# KiCad board ZSWatch-panelized.kicad_pcb (continued)
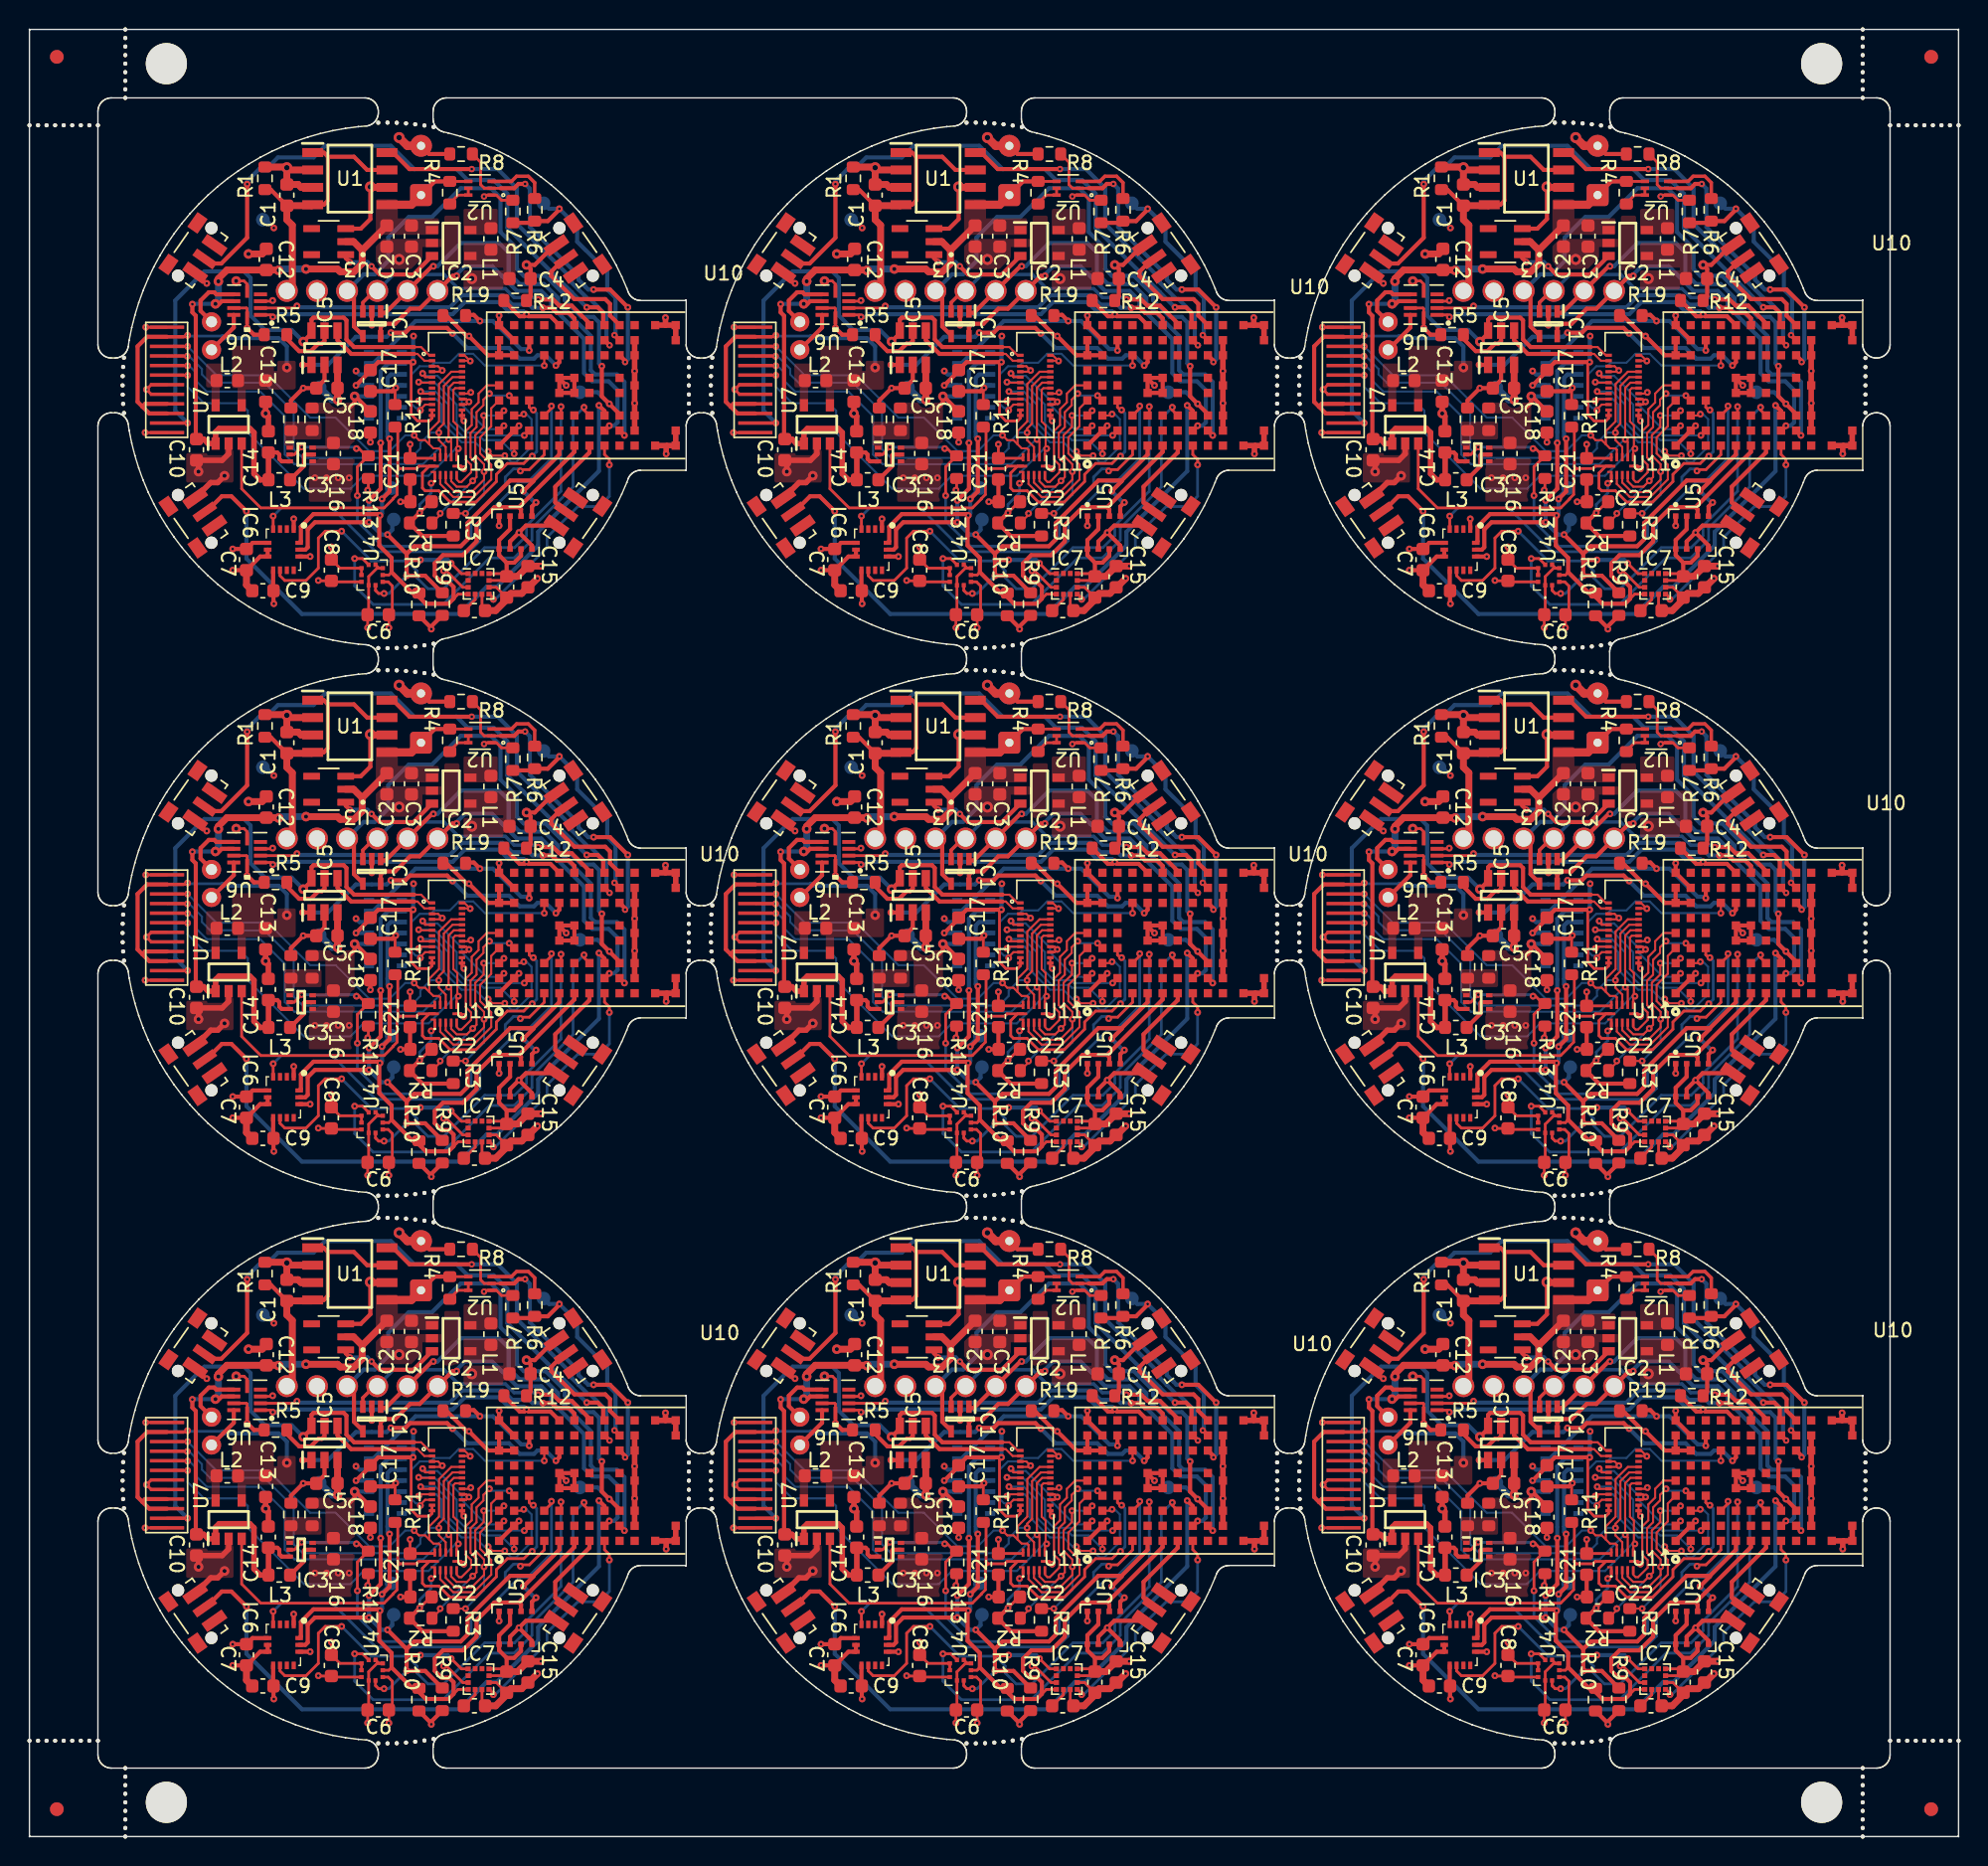
[diagram p0: board, top side]
## Routing (per net, layer and track width the routed paths; a pad name or vN(x,y) marks a point on that pad's centre or on a via; arc(x,y) is an arc through that point) (continued)
Board_4-INT1_LIS: length 31.2
  Top w0.2: v1(81.08,64.49) 81.08,64.32 U10#7.D3 ; IC6.4 v1(60.76,56.45)
  Bottom w0.2: v1(81.08,64.49) 81.08,60.67 79.36,58.95 78.76,58.95 75.86,56.05 75.86,54.65 75.06,53.85 68.26,53.85 65.06,57.05 61.36,57.05 v1(60.76,56.45)
Board_4-INT2_LIS: length 36.1
  Top w0.2: IC6.9 61.26,52.1 61.61,51.75 63.16,51.75 64.06,52.65 64.06,54.85 64.56,55.35 v1(65.76,55.35) ; v1(81.78,64.45) 81.78,63.92 U10#7.E3
  Bottom w0.2: v1(81.78,64.45) 81.78,58.27 79.26,55.75 79.26,55.02 78.38,54.15 76.21,54.15 73.21,51.15 72.06,51.15 71.26,51.95 71.26,52.45 70.53,53.17 67.93,53.17 v1(65.76,55.35)
Board_4-LEDK1: length 37.5
  Top w0.15: U13#4.1 72.16,68.2 71.56,68.8 71.06,68.8
  Top w0.2: U12#3.2 v1(54.51,63.25)
  Top w0.3: 71.06,68.8 66.66,68.8 66.11,69.35 66.11,70.75 65.91,70.95 63.71,70.95 63.56,70.8 IC5#7.6 63.56,69.8 v3(62.96,69.2)
  Bottom w0.3: v1(54.51,63.25) 53.61,64.15 53.61,72.2 55.73,74.33 58.63,74.33 59.11,73.85 59.11,71.1 60.16,70.05 62.11,70.05 v3(62.96,69.2)
Board_4-LEDK2: length 8.2
  Top w0.15: U13#4.2 71.8,67.8 71.3,68.3 71.06,68.3
  Top w0.3: 71.06,68.3 66.46,68.3 65.46,69.3 IC5#7.4
Board_4-LIS2MDL_INT: length 16.4
  Top w0.2: 76.56,50.75 76.84,50.47 v1(76.84,50.37) ; U10#7.H1 84.95,60.95 85.31,60.6 v1(85.31,60.2)
  Bottom w0.2: v1(85.31,60.2) 85.31,57.9 84.56,57.15 83.01,57.15 80.76,54.9 80.76,54.15 76.98,50.37 v1(76.84,50.37)
Board_4-MAX30_INT: length 15.9
  Top w0.3: U10#7.C8 79.46,69.3 v1(79.46,68.55) ; v1(75.86,70.7) 75.41,71.15 74.81,71.15
  Bottom w0.3: IC4#7.13 68.06,67.6 71.16,70.7 v1(75.86,70.7) 76.81,70.7 78.86,68.65 79.36,68.65 v1(79.46,68.55)
Board_4-RESET_N: length 42.1
  Top w0.3: U10#7.J3 86.05,63.9 v1(85.31,64.65) 84.76,65.2 v1(84.76,67.4) ; 67.31,69.65 66.66,70.3 66.66,72.4
  Bottom w0.3: v1(85.31,64.65) 84.46,65.5 TP12#3.1 ; J2#8.4 67.37,74.11 68.18,74.11 69.16,75.09 69.16,76.8 70.66,78.3 72.36,78.3 74.46,80.4 76.66,80.4 77.36,79.7 77.36,77.2 78.56,76 78.56,74.5 79.06,74 80.65,74 82.06,72.59 82.06,72.21 83.27,71 84.16,71 84.56,70.6 84.56,67.6 v1(84.76,67.4)
Board_4-SCL_ANNA: length 56.6
  Top w0.2: v1(68.86,50.8) 68.46,50.8 68.23,51.02 U4#4.2 ; v1(73.76,53) 74.51,52.25 74.96,52.25
  Top w0.3: v1(67.76,57.6) 68.61,58.45 v1(68.61,61.8) ; R9#2.1 71.86,52.1 v1(70.51,52.1) 70.51,53.25 ; U5#2.4 79.66,57.15 v1(79.96,57.45) ; v1(67.76,56) 63.81,56 63.28,55.47 63.28,54.17 63.11,54 IC6.13 ; 70.51,53.7 70.51,53.25 ; 70.51,53.7 71.06,54.25 74.45,54.25 74.96,54.76 74.96,55.95 78.06,59.05 79.76,59.05 ; 70.51,53.7 v1(69.11,55.1) ; 70.51,53.25 71.51,53.25 v1(71.51,53.25) ; 79.76,59.05 81.65,60.95 U10#7.E1 ; 79.76,59.05 79.76,59 v1(79.03,58.27)
  Bottom w0.2: v1(70.51,52.1) 69.21,50.8 v1(68.86,50.8)
  Bottom w0.3: IC4#7.2 69.16,67.6 68.61,67.05 v1(68.61,61.8) ; v1(79.03,58.27) 79.86,57.45 v1(79.96,57.45) ; v1(67.76,57.6) v1(67.76,56) 68.66,55.1 v1(69.11,55.1) 69.46,55.45 69.46,56.2 ; v1(71.51,53.25) 73.51,53.25 v1(73.76,53)
Board_4-SDA_ANNA: length 51.2
  Top w0.2: 69.41,52.35 69.21,52.15 U4#4.4 ; 73.93,50.42 74.26,50.75 74.96,50.75
  Top w0.3: U5#2.3 78.86,56.95 78.71,57.1 ; 78.71,57.1 76.91,57.1 75.61,55.8 75.61,54.6 74.61,53.6 73.16,53.6 72.56,53 72.56,52.11 73.06,51.6 73.61,51.6 73.93,51.28 73.93,50.42 73.56,50.05 71.91,50.05 71.41,50.55 R10#5.1 70.93,50.82 69.41,52.35 69.41,53.4 68.51,54.3 68.51,56.45 v1(68.56,56.5) 68.46,56.6 63.7,56.6 62.78,55.68 62.78,54.62 IC6.14 ; 78.71,57.1 82.75,61.15 U10#7.F1 ; v1(68.71,57.7) 69.26,58.25 v1(69.26,62.1)
  Bottom w0.3: v1(69.26,62.1) 69.11,62.25 69.11,66.55 69.36,66.8 IC4#7.3 ; TP10#7.1 68.71,57.8 v1(68.71,57.7) 68.71,56.65 v1(68.56,56.5)
Board_4-SWDCLK: length 31.1
  Top w0.3: v1(72.46,74.7) 72.36,74.7 J2#8.2 68.96,71.3 68.61,71.3 ; v1(86.41,62.35) U10#7.J2
  Bottom w0.3: v1(86.41,62.35) 86.41,66.25 85.86,66.8 84.26,66.8 83.96,67.1 83.96,69.61 81.56,72.01 81.56,72.39 80.54,73.4 78.76,73.4 77.96,74.2 77.96,75.7 77.26,76.4 74.46,76.4 72.76,74.7 v1(72.46,74.7)
Board_4-SWDIO: length 28.9
  Top w0.3: v1(85.31,63.05) U10#7.H2 ; 68.61,69.5 68.61,70.25 68.86,70.5 69.66,70.5 70.76,71.6 71.46,71.6 J2#8.1 73.86,74 v1(74.16,74)
  Bottom w0.3: v1(85.31,63.05) 85.66,63.05 85.91,63.3 85.91,65.65 85.26,66.3 84.05,66.3 83.46,66.89 83.46,69.4 81.06,71.8 81.06,72.18 80.34,72.9 78.55,72.9 77.46,73.99 77.46,74 76.76,74.7 74.76,74.7 74.16,74.1 v1(74.16,74)
Board_4-TOUCH_INT: length 12
  Top w0.15: U11#3.2 72.96,58.8 73.91,57.85 75.4,57.85 76.68,59.13 76.68,60.21 75.87,61.02 75.87,62.2 76.68,63.02 76.68,64.32 U10#7.A4
Board_4-TOUCH_RST: length 9.5
  Top w0.15: U10#7.A5 76.36,66 75.76,65.4 75.76,64.76 75.26,64.26 75.26,63.1 74.82,62.66 74.82,60.59 75.21,60.2 75.21,59.64 74.51,58.95 74.34,58.95 74.16,59.13
Board_4-TOUCH_SCL: length 15.9
  Top w0.15: v1(74.81,56.65) R3#7.1 ; v1(77.61,64.15) U10#7.A3 ; v1(76.13,63.8) 76.13,62.97 75.52,62.36 75.52,60.88 76.16,60.24 v1(76.16,59.7) 76.16,59.11 75.25,58.2 74.06,58.2 73.36,58.9 U11#3.3
  Bottom w0.15: v1(77.61,64.15) U10#7.A3 v1(76.13,63.8) ; v1(76.16,59.7) 76.16,58 v1(74.81,56.65)
Board_4-TOUCH_SDA: length 15.9
  Top w0.15: v1(78,65.25) U10#7.B4 ; v1(72.96,56.65) 72.96,56.55 R2#2.1 ; U11#3.4 73.76,59 74.16,58.6 74.91,58.6 74.91,58.6 v1(75.33,59.03) 75.33,59.03 75.61,59.3 75.61,60.29 75.17,60.73 75.17,62.51 75.61,62.95 75.61,64.04 76.11,64.55 76.11,64.96 v1(76.55,65.4)
  Bottom w0.15: v1(76.55,65.4) 76.7,65.25 v1(78,65.25) ; v1(72.96,56.65) 72.96,56.65 v1(75.33,59.03)
Board_4-UART_TX: length 19.7
  Top w0.25: J2#8.3 68.16,72.9 67.31,72.05 IC1#2.3
  Top w0.3: v1(80.11,72.27) 81.19,72.27 81.64,71.82 82.56,71.82 83.85,70.53 U10#7.G9
  Bottom w0.25: v1(80.11,72.27) 79.97,72.42 78.36,72.42 77.72,73.06 74.28,73.06 73.24,74.1 69.56,74.1 J2#8.3
Board_4-V_BAT: length 51.5
  Top w0.2: U2#7.4 R4#2.1
  Top w0.3: R4#2.1 72.56,80.9 BT1.1 ; 55.36,62.12 55.31,62.07 55.11,62.27 55.11,71.08 54.86,71.33 v1(54.86,71.93) ; v3(56.54,71.95) 56.81,71.95 57.01,72.15 U6#5.7 ; IC3#4.3 61.38,60.45 61.21,60.62 61.21,60.95 61.06,61.1 C14#5.1
  Top w0.4: C14#5.1 60.42,61.09 L3#2.1 59.81,59.1 59.36,59.55 59.36,62.55 59.06,62.85 56.81,62.85 56.56,62.6 U7#6.1 56.01,61.75 55.68,62.07 55.31,62.07
  Top w0.5: v3(56.76,73.6) 56.76,73.8 57.38,74.42 C12#5.2 61.13,74.42 v3(61.16,74.4) ; v3(63.16,74.5) 65.46,74.5 65.66,74.3 66.66,74.3 67.26,74.9 67.26,75.87 ; 67.26,75.87 66.63,76.5 U3#9.2 ; 67.26,75.87 C2#8.2
  Top w0.6: U1#7.5 70.85,79.19 BT1.1
  Bottom w0.3: v1(54.86,71.93) 54.88,71.95 v3(56.54,71.95)
  Bottom w0.5: v3(63.16,74.5) 61.26,74.5 v3(61.16,74.4) ; v3(56.54,71.95) 56.76,72.17 v3(56.76,73.6)
Board_4-VBUS: length 20.9
  Top w0.3: U1#7.7 67.62,81.73 66.66,82.7 64.76,82.7 ; C1#2.1 60.58,80.3 R1#4.1 ; U1#7.1 64.45,83 64.76,82.7 ; 64.76,82.7 64.76,79.5 64.45,79.19 U1#7.4
  Top w0.5: J2#8.6 62.16,73.3 62.16,77.7 61.76,78.1 C1#2.1 63.58,79.12 U1#7.4
Board_5-5V_REG_EN: length 30.3
  Top w0.2: IC3#5.2 105.26,60.95 v4(105.8,61.49) ; v1(121.77,59.75) 121.87,59.85 122.43,59.85 123.51,60.93 U10#9.D1 ; R13#4.1 109.87,60.05 v1(109.87,57.95) ; v1(109.8,61.38) 109.98,61.38 110.57,60.8
  Bottom w0.2: v1(109.87,57.95) 109.87,56.07 111.69,54.25 117.47,54.25 118.17,54.95 118.17,56.2 120.67,58.7 120.67,59.3 121.27,59.9 121.62,59.9 v1(121.77,59.75) ; v4(105.8,61.49) 109.69,61.49 v1(109.8,61.38)
Board_5-+1V8: length 64
  Top w0.2: U4.6 111.44,52.65 U4.5 111.3,52.65 110.69,52.04 U4.1 110.69,49.32 C6#4.1 v1(110.62,48.3) ; 115.32,64.18 U13#8.12 115.32,63.6 115.12,63.4 114.27,63.4 113.8,63.87 113.8,67.56 v1(113.94,67.7) ; v1(115.26,58.85) 115.37,58.85 115.52,59 U11.1 ; 119.52,52.25 120.57,52.25 C19#5.2 120.47,51.75 119.52,51.75 ; v1(116.17,52.45) 116.37,52.45 117.57,51.25 117.92,51.25 ; v1(107.02,51.75) 107.04,51.72 C8#7.2 108.04,51.65 U4.10 ; v1(114.42,56.7) 115.22,57.5 C22#4.2
  Top w0.3: R10#4.2 115.27,48.27 v1(115.27,48.2) 115.27,48.4 R9.2 ; 120.77,53.05 C19#5.2 ; 120.77,53.05 121.32,53.05 121.82,53.55 U5#6.6 ; 120.77,53.05 120.22,53.6 U5#6.8 120.22,54.7 121.02,55.5 U5#6.2 ; v1(113.94,67.7) 111.39,67.7 C17#9.2 110.82,67.05 v1(109.77,66) ; IC6#3.5 102.22,54.5 C7#8.1 v1(100.77,54.05) ; R3#9.2 114.62,55 R2#7.2 v1(114.42,56.7) ; U10#9.A7 119.42,68.2 v1(118.02,69.6) 117.87,69.6 116.37,71.1 R19#5.1 116.37,71.1 ; U10#9.A7 U10#9.A8 ; U10#9.A7 U10#9.B7 ; v1(103.77,50.05) 103.74,50.07 C9#3.2 103.72,51.02 IC6#3.8 ; IC6#3.12 v1(106.42,53.5)
  Top w0.5: v1(123.27,52.8) C15#9.1 121.57,52.05 C19#5.2
  Bottom w0.2: v1(114.42,56.7) 114.42,57.3 115.26,58.14 v1(115.26,58.85)
  Bottom w0.3: v1(113.94,67.7) 113.94,69.57 v1(113.97,69.6) ; v1(109.77,66) IC4#9.11 ; v1(103.77,77.5) 103.17,78.1 TP8#5.1
  vias: v2(118.22,73.8)
Board_5-+5V: length 5
  Top w0.3: 109.32,64.4 109.67,64.75 v3(109.67,65.2) 109.72,65.2 C18#3.1
  Bottom w0.3: IC4#9.10 v3(109.67,65.2) 110.47,64.4 IC4#9.9
Board_5-/C1: length 1.6
  Top w0.2: 118.47,50.75 118.47,50.35 117.67,49.55 C11#6.1
Board_5-/D2: length 4.7
  Top w0.25: U2#8.3 121.12,80.9 121.49,81.28 122.35,81.28 122.82,80.81 R6.1
Board_5-/G2: length 2.2
  Top w0.2: R4#6.2 116.62,79.3 117.22,79.9 U2#8.6 U2#8.5
Board_5-/ISET: length 4.5
  Top w0.3: IC5#2.5 107.47,69.25 107.27,69.05 107.02,69.05 106.47,68.5 105.62,68.5 104.72,69.4 R5#7.2
Board_5-/MOTOR_OUT+: length 3.2
  Top w0.3: U6#9.9 100.84,70.22 M1#4.1
Board_5-/MOTOR_OUT-: length 4.6
  Top w0.3: M1#4.2 98.42,71.44 98.42,72.2 99.02,72.8 99.42,72.8 99.57,72.65 U6#9.6
Board_5-/SW: length 2.9
  Top w0.3: L3#9.2 105.97,60.11 105.97,60.9 106.02,60.95 IC3#5.5
Board_5-/TOUCH_HIGH_INT-DC: length 31.4
  Top w0.15: U13#8.21 116.72,67 115.83,66.1 115.83,63.37 115.12,62.66 115.12,61.7 ; 115.12,61.7 114.82,62 114.37,62 v1(114.02,62.35) ; 115.12,61.7 115.42,61.4 115.82,61.4 115.92,61.3 ; 115.89,61.32 115.92,61.3 ; 115.92,61.3 U11.10 ; v1(97.47,68.85) U12#9.10
  Bottom w0.15: v1(114.02,62.35) 113.37,62.35 112.22,61.2 110.73,61.2 108.28,63.65 106.42,63.65 103.32,66.75 99.57,66.75 97.47,68.85 v1(97.47,68.85)
Board_5-/TOUCH_HIGH_RST-SDA: length 33
  Top w0.15: U13#8.18 117.01,65.8 116.88,65.67 116.88,63.36 117.17,63.07 117.17,61.46 ; 97.45,66.75 U12#9.7 ; v1(117.24,61.38) 117.12,61.26 U11.7
  Bottom w0.15: v1(117.24,61.38) 117.05,61.38 115.07,59.4 110.32,59.4 109.37,58.45 105.97,58.45 101.87,62.55 101.87,64.15 101.32,64.7 98.67,64.7 97.47,65.9 v1(97.47,66.73)
Board_5-/TOUCH_HIGH_SCL-CS: length 32.9
  Top w0.15: v1(97.45,68.13) 95.99,68.13 U12#9.9 ; U13#8.20 116.82,66.6 116.18,65.96 116.18,63.21 115.82,62.85 v1(115.82,62.55) 115.82,62 116.32,61.5 U11.9
  Bottom w0.15: v1(115.82,62.55) 115.22,62.55 114.47,61.79 114.47,61.4 113.77,60.7 105.87,60.7 105.22,61.35 105.22,64.05 103.07,66.2 99.12,66.2 98.52,66.8 98.52,67.2 97.59,68.13 v1(97.45,68.13)
Board_5-/TOUCH_HIGH_SDA-SCL: length 32.6
  Top w0.15: U11.8 116.72,61.87 v1(116.54,62.05) 116.53,62.06 116.53,65.81 116.91,66.2 U13#8.19 ; v1(97.47,67.43) 97.45,67.45 U12#9.8
  Bottom w0.15: v1(116.54,62.05) 116.46,62.05 114.67,60.25 105.27,60.25 104.57,60.95 104.57,63.75 102.77,65.55 98.87,65.55 98.07,66.35 98.07,66.95 97.59,67.43 v1(97.47,67.43)
Board_5-/~{RESET_BAT_SUP}: length 7.6
  Top w0.3: v4(109.32,75) 109.02,75.3 U3#6.1 ; IC2#8.3 113.97,74.1 111.5,74.1 v4(110.9,74.7)
  Bottom w0.3: v4(109.32,75) 110.6,75 v4(110.9,74.7)
Board_5-BAT_MON: length 16.5
  Top w0.3: R6.2 123.77,78 124.62,78.85 v1(124.62,78.9) ; v4(128.64,69.67) U10#9.J8 ; R7#9.1 122.69,77.87
  Bottom w0.3: v4(128.64,69.67) 128.72,69.75 128.72,72.4 128.12,73 128.12,74.3 125.92,76.5 125.92,77.6 v1(124.62,78.9) 123.87,78.9 TP3#5.1
Board_5-BAT_MON_EN: length 23.8
  Top w0.2: 120.32,80.4 U2#8.2 119.14,80.4 118.87,80.67 118.87,82.3 R8#6.2
  Top w0.3: 120.32,80.4 121.32,80.4 121.63,80.72 v4(122.12,80.72) ; U10#9.J7 129.42,67.8 v4(129.42,67.7) ; v1(129.62,71.7) 128.32,73 v1(127.12,73)
  Bottom w0.3: v1(129.62,71.7) 129.62,67.9 v4(129.42,67.7) ; v1(127.12,73) 126.72,73 126.52,73.21 126.52,73.21 126.02,73.71 126.02,74.01 122.46,77.56 122.46,80.37 v4(122.12,80.72)
Board_5-BMP581_INT: length 30.7
  Top w0.2: v1(109.67,53.35) 110.24,53.35 U4.7 ; v1(126.42,64.4) 126.42,64.2 U10#9.G3
  Bottom w0.2: v1(126.42,64.4) 125.62,63.6 125.62,58.58 122.62,55.58 122.62,54.7 121.32,53.4 119.52,53.4 116.12,50 111.02,50 109.67,51.35 v1(109.67,53.35)
Board_5-BTN_1: length 45.4
  Top w0.3: S1#4.2 98.83,56.77 99.97,57.9 100.67,57.9 v1(101.77,56.8) ; U10#9.H3 127.91,64.13 v1(127.51,64.54)
  Bottom w0.3: v1(127.51,64.54) 127.51,59.74 123.07,55.3 123.07,54.3 120.07,51.3 119.32,51.3 117.32,49.3 105.82,49.3 101.77,53.35 v1(101.77,56.8)
Board_5-BTN_2: length 8.8
  Top w0.3: U10#9.J9 128.32,71.1 128.32,71.95 127.97,72.3 125.72,72.3 124.02,74 124.02,74.3 124.95,75.23 S2#2.2
Board_5-BTN_3: length 42.5
  Top w0.3: v1(126.62,71.7) 127.42,71.7 127.82,71.3 127.82,70.5 ; S3.2 99.06,74.9 99.93,74.9 101.82,76.79 v1(101.82,80.7)
  Bottom w0.3: v1(101.82,80.7) 101.82,80.92 102.7,81.8 103.22,81.8 104.07,82.65 106.67,82.65 107.52,83.5 112.32,83.5 114.02,81.8 117.12,81.8 117.92,81 119.82,81 120.82,80 120.82,77.51 122.02,76.31 122.02,76.3 125.52,72.8 125.52,72.79 126.61,71.7 v1(126.62,71.7)
Board_5-BTN_4: length 6.3
  Top w0.3: S4#4.2 125,56.77 124.32,57.45 124.32,58.6 126.81,61.1 U10#9.G1
Board_5-CHG: length 25.5
  Top w0.3: U10#9.H8 v4(128.29,68.93) ; U1#4.8 112.47,83 113.67,81.8 v4(118.22,81.8)
  Bottom w0.3: v4(118.22,81.8) 120.12,81.8 121.52,80.4 121.52,77.8 125.52,73.8 125.52,73.51 126.02,73.01 126.02,73 126.72,72.3 126.87,72.3 128.06,71.11 128.06,69.16 v4(128.29,68.93)
Board_5-DISPLAY_3V3: length 31.5
  Top w0.15: U13#8.24 117.69,68.2 v1(118.11,67.78) 118.09,67.8 U13#8.23 ; v1(118.15,65.49) 118.06,65.4 U13#8.17 ; U13#8.14 U13#8.13 ; 117.51,63.55 v1(117.65,63.41)
  Top w0.2: U11.11 115.44,60.67 C21#3.2 v1(113.72,61.7) ; U12#9.11 97.37,69.55 v1(97.47,69.65) ; U13#8.13 117.51,63.55
  Top w0.3: 94.17,64.45 94.67,63.95 U12#9.3 ; 94.17,64.45 94.37,64.65 U12#9.4 ; 94.17,64.45 93.82,64.8 93.82,68.85 94.52,69.55 U12#9.11
  Top w0.5: v3(108.42,64.95) C5#3.2 IC5#2.3
  Bottom w0.2: v1(97.47,69.65) 97.52,69.6 100.02,69.6
  Bottom w0.3: v3(104.72,67.3) 104.72,68.85 104.12,69.45 100.17,69.45 100.02,69.6
  Bottom w0.5: v3(108.42,64.95) 108.02,64.95 TP11.1
Board_5-DISPLAY_BLK: length 22.5
  Top w0.3: v1(116.82,69.8) 116.42,70.2 113.72,70.2 113.37,69.85 v1(112.32,69.85) ; U10#9.E7 124.62,68.2 124.62,67.7 v1(124.37,67.45) ; IC5#2.1 v1(105.87,67.5)
  Bottom w0.3: v1(116.82,69.8) 117.89,68.73 120.94,68.73 121.72,67.95 122.77,67.95 123.02,68.2 123.62,68.2 v1(124.37,67.45) ; v1(112.32,69.85) 112.02,69.55 109.77,69.55 107.72,67.5 v1(105.87,67.5)
Board_5-DISPLAY_CLK: length 11
  Top w0.15: U13#8.8 114.64,65.4 v1(114.49,65.55) ; U10#9.B1 121.32,61.6 v1(121.32,61)
  Bottom w0.15: v1(114.49,65.55) 115.56,65.55 116.52,64.6 116.52,63.3 117.62,62.2 118.88,62.2 119.09,62 120.32,62 v1(121.32,61)
Board_5-DISPLAY_CS: length 15.9
  Top w0.15: v1(114.35,64.87) 114.48,65 U13#8.9 ; U10#9.B3 121.92,63.8 v1(122.02,63.9) ; v1(119.42,61.18) 119.73,60.87 v1(120.63,60.87)
  Bottom w0.15: v1(119.42,61.18) 119.14,61.18 118.47,61.85 117.48,61.85 116.02,63.31 116.02,64.6 115.62,65 114.48,65 v1(114.35,64.87) ; v1(120.63,60.87) 121.1,60.4 121.46,60.4 122.59,61.53 122.59,63.53 122.22,63.9 v1(122.02,63.9)
Board_5-DISPLAY_DATA: length 11.6
  Top w0.15: v1(122.06,62.35) U10#9.C2 ; v1(114.34,66.24) 114.38,66.2 U13#8.6
  Bottom w0.15: v1(122.06,62.35) 119.23,62.35 119.03,62.55 117.77,62.55 117.12,63.2 117.12,64.6 115.48,66.24 v1(114.34,66.24)
Board_5-DISPLAY_DC: length 9.3
  Top w0.15: v1(120.57,63.05) U10#9.A2 ; v1(114.63,66.87) 114.81,66.7 114.81,66.61 114.82,66.6 U13#8.5
  Bottom w0.15: v1(120.57,63.05) 120.31,62.8 119.27,62.8 117.49,64.58 117.49,64.92 115.72,66.7 114.75,66.7 114.63,66.81 v1(114.63,66.87)
Board_5-DISPLAY_EN: length 40.3
  Top w0.2: v1(122.63,60.83) 122.55,60.83 122.02,60.3 120.82,60.3 120.02,59.5 120.02,58.97 118.52,57.47 116.64,57.47 115.82,58.3 114.82,58.3 114.62,58.5 114.62,59.6 115.12,60.1 U11.12 114.36,60.1 114.18,59.92 112.94,59.92 ; v1(122.72,64.2) 122.62,64.2 122.41,64.4 U10#9.C4 ; 112.94,59.92 112.77,59.75 112.77,58.03 112.47,57.73 112.47,57.7 111.82,57.05 102.82,57.05 101.42,58.45 U7#7.3 ; 112.94,59.92 112.82,60.05 112.82,62.75 R11#3.1
  Bottom w0.2: v1(122.72,64.2) 122.96,63.96 122.96,61.16 v1(122.63,60.83)
Board_5-DISPLAY_RST: length 15.5
  Top w0.15: v1(114.47,64.18) 114.56,64.27 114.56,64.34 114.82,64.6 U13#8.10 ; v1(123.52,67.45) 123.52,68.2 U10#9.D7
  Bottom w0.15: v1(114.47,64.18) 114.31,64.34 114.13,64.34 113.82,64.65 113.82,66.8 114.42,67.4 115.22,67.4 115.47,67.65 116.62,67.65 117.27,68.3 118.32,68.3 119.18,67.45 v1(123.52,67.45)
Board_5-DRV_VIB_EN: length 25.2
  Top w0.2: v1(103.69,71) 103.54,71.15 U6#9.1
  Top w0.3: U10#9.E9 123.96,71.05 122.37,71.05 v1(122.22,71.2) 122.07,71.05 121.72,71.05 R12#8.1
  Bottom w0.3: v1(122.22,71.2) 122.02,71.4 120.9,71.4 120.22,72.09 117.71,72.09 116.82,71.2 104.22,71.2 104.02,71 v1(103.69,71)
Board_5-DRV_VIB_PWM: length 24.6
  Top w0.2: v1(105.46,71.8) 105.31,71.65 U6#9.2
  Top w0.3: v1(123.42,71.66) 124.06,71.66 124.42,71.3 125.32,71.3 125.71,70.9 U10#9.F9
  Bottom w0.3: v1(123.42,71.66) 122.65,71.66 122.42,71.9 121.17,71.9 120.48,72.59 117.5,72.59 116.62,71.7 105.56,71.7 v1(105.46,71.8)
Board_5-GND: length 117.3
  Top w0.15: U13#8.4 115.97,67 v1(116.07,67.09) 115.76,67.4 U13#8.3 ; U13#8.15 117.82,64.6 v1(118.02,64.8) 117.82,65 U13#8.16
  Top w0.2: v1(110.62,58.35) 110.67,58.4 R13#4.2 ; v1(103.68,72.2) 103.63,72.15 U6#9.3 ; v1(112.17,48.3) C6#4.2 112.42,49.5 112.42,51.35 112.12,51.65 U4.3 ; v1(107.97,54.2) C8#7.1 108.59,52.65 U4.8 U4.9 ; 119.52,51.25 120.02,51.25 C19#5.1 ; U6#9.8 101.77,71.65 101.82,71.6 U6#9.10 v1(101.82,70.2) ; U6#9.5 101.82,73.4 101.59,73.63 v3(101.02,73.63) ; v1(112.67,65.82) 112.62,65.77 R11#3.2 ; 118.97,50.75 118.97,49.77 C11#6.2 ; v1(117.64,59.9) 117.44,60.1 U11.6 ; U12#9.1 v1(94.37,62.55) ; R7#9.2 120.39,79.52 120.02,79.9 U2#8.1 119.22,79.9 v4(119.12,79.8) ; U12#9.12 v1(94.42,70.25) ; U12#9.5 94.82,65.35 v1(94.47,65.7) 94.82,66.05 U12#9.6
  Top w0.3: U10#9.B8 U10#9.A9 120.21,71.1 v1(120.22,71.1) ; S2#2.3 124.26,76.24 122.82,74.8 v3(122.22,74.8) 122.52,74.5 C4#9.2 122.52,72.5 R12#8.2 ; BT1#6.2 115.12,82.9 R8#6.1 ; R5#7.1 102.32,69.7 v1(101.82,70.2) ; U10#9.E5 U10#9.E4 U10#9.F4 U10#9.F5 U10#9.E5 ; U10#9.E5 124.61,66.5 v1(125.12,66) ; S3.3 98.8,73.45 v1(98.87,73.45) ; C18#3.2 v1(110.82,61.85) ; IC6#3.1 v1(105.22,56.25) ; U3#6.3 110.12,77.45 110.82,78.15 v2(110.82,80.5) ; C21#3.1 113.72,57.52 C22#4.1 v1(113.02,57.5) ; U10#9.A1 U10#9.B2 v1(121.67,63.05) ; C17#9.1 112.42,65.57 v1(112.67,65.82) ; U5#6.1 v1(120.22,55.75) ; IC6#3.6 IC6#3.7 102.77,53.5 C7#8.2 v1(100.77,52.5) ; IC5#2.2 107.47,66.4 C5#3.1 v1(105.92,65.8) 105.02,64.9 R18#4.1 ; S4#4.1 122.18,55.76 v1(121.67,55.25) ; U5#6.7 121.02,54.6 v1(121.67,55.25) ; v1(121.67,55.25) 122.62,54.3 U5#6.5 ; 110.92,71.3 v1(110.92,70.4)
  Top w0.4: v3(98.27,59.7) 98.27,60.52 99.99,60.52 100.47,61 U7#7.2 ; v3(100.17,59.4) 99.67,58.9 99.15,58.9 S1#4.1 ; C14.2 103.37,63.75 v3(103.17,63.95) C13#4.2 ; 132.47,61.6 U10#9.M1 U10#9.M2 ; 132.47,61.6 U10#9.L1 ; 132.47,61.6 132.42,61.55 v1(132.42,61) ; U10#9.M8 U10#9.M9 132.37,70.4 ; 132.37,70.4 v1(132.37,70.95) ; 132.37,70.4 U10#9.L9 ; U10#9.K8 U10#9.K7 v1(130.11,67.05) U10#9.K5 130.11,64.7 v1(130.12,64.7) 130.11,64.7 U10#9.K3 U10#9.K2
  Top w0.5: C9#3.1 101.77,51.42 C7#8.2 ; v2(104.72,81.9) 104.67,81.95 R1#2.2 ; v2(104.72,81.9) 104.88,81.73 U1#4.2 ; v2(104.72,81.9) C1#3.2 105.54,80.67 105.75,80.46 U1#4.3 ; v3(101.92,75.6) 102.92,75.6 103.22,75.9 C12#8.1 ; C11#6.2 119.97,49.55 120.77,50.35 C19#5.1 121.07,50.8 121.87,50.8 C15#9.2 122.37,51.25 v1(123.02,51.9) ; v2(110.82,80.5) 110.85,80.46 U1#4.6
  Top w0.6: BT1#6.2 113.52,83.5 v2(112.92,84.1)
  Bottom w0.3: IC4#9.4 112.85,66 v1(112.67,65.82) ; IC4#9.12 110.02,66.8 v1(109.77,67.05)
  vias: v1(106.77,59.25) v1(107.62,59.25) v1(108.47,59.25) v1(109.27,59.25) v2(112.92,75.2)
Board_5-INT1_LIS: length 31.2
  Top w0.2: v1(124.04,64.49) 124.04,64.32 U10#9.D3 ; IC6#3.4 v1(103.72,56.45)
  Bottom w0.2: v1(103.72,56.45) 104.32,57.05 108.02,57.05 111.22,53.85 118.02,53.85 118.82,54.65 118.82,56.05 121.72,58.95 122.32,58.95 124.04,60.67 v1(124.04,64.49)
Board_5-INT2_LIS: length 36.1
  Top w0.2: v1(124.74,64.45) 124.74,63.92 U10#9.E3 ; v1(108.72,55.35) 107.52,55.35 107.02,54.85 107.02,52.65 106.12,51.75 104.57,51.75 104.22,52.1 IC6#3.9
  Bottom w0.2: v1(108.72,55.35) 110.89,53.17 113.49,53.17 114.22,52.45 114.22,51.95 115.02,51.15 116.17,51.15 119.17,54.15 121.34,54.15 122.22,55.02 122.22,55.75 124.74,58.27 v1(124.74,64.45)
Board_5-LEDK1: length 37.5
  Top w0.15: U13#8.1 115.12,68.2 114.52,68.8 114.02,68.8
  Top w0.2: U12#9.2 v1(97.47,63.25)
  Top w0.3: v3(105.92,69.2) 106.52,69.8 IC5#2.6 106.52,70.8 106.67,70.95 108.87,70.95 109.07,70.75 109.07,69.35 109.62,68.8 114.02,68.8
  Bottom w0.3: v1(97.47,63.25) 96.57,64.15 96.57,72.2 98.69,74.33 101.59,74.33 102.07,73.85 102.07,71.1 103.12,70.05 105.07,70.05 v3(105.92,69.2)
Board_5-LEDK2: length 8.2
  Top w0.15: U13#8.2 114.76,67.8 114.26,68.3 114.02,68.3
  Top w0.3: IC5#2.4 108.42,69.3 109.42,68.3 114.02,68.3
Board_5-LIS2MDL_INT: length 16.4
  Top w0.2: v1(119.8,50.37) 119.8,50.47 119.52,50.75 ; U10#9.H1 127.91,60.95 128.27,60.6 v1(128.27,60.2)
  Bottom w0.2: v1(119.8,50.37) 119.94,50.37 123.72,54.15 123.72,54.9 125.97,57.15 127.52,57.15 128.27,57.9 v1(128.27,60.2)
Board_5-MAX30_INT: length 15.9
  Top w0.3: U10#9.C8 122.42,69.3 v1(122.42,68.55) ; 117.77,71.15 118.37,71.15 v1(118.82,70.7)
  Bottom w0.3: v1(122.42,68.55) 122.32,68.65 121.82,68.65 119.77,70.7 v1(118.82,70.7) 114.12,70.7 111.02,67.6 IC4#9.13
Board_5-RESET_N: length 42.1
  Top w0.3: 109.62,72.4 109.62,70.3 110.27,69.65 ; U10#9.J3 129.01,63.9 v1(128.27,64.65) 127.72,65.2 v1(127.72,67.4)
  Bottom w0.3: TP12#5.1 127.42,65.5 v1(128.27,64.65) ; v1(127.72,67.4) 127.52,67.6 127.52,70.6 127.12,71 126.23,71 125.02,72.21 125.02,72.59 123.61,74 122.02,74 121.52,74.5 121.52,76 120.32,77.2 120.32,79.7 119.62,80.4 117.42,80.4 115.32,78.3 113.62,78.3 112.12,76.8 112.12,75.09 111.14,74.11 110.33,74.11 J2#5.4
Board_5-SCL_ANNA: length 56.6
  Top w0.2: v1(111.82,50.8) 111.42,50.8 111.19,51.02 U4.2 ; 117.92,52.25 117.47,52.25 v1(116.72,53)
  Top w0.3: 113.47,53.25 114.47,53.25 v1(114.47,53.25) ; 113.47,53.25 113.47,53.7 ; 113.47,53.25 v1(113.47,52.1) 114.82,52.1 R9.1 ; v1(122.92,57.45) 122.62,57.15 U5#6.4 ; U10#9.E1 124.61,60.95 122.72,59.05 ; 113.47,53.7 v1(112.07,55.1) ; 113.47,53.7 114.02,54.25 117.41,54.25 117.92,54.76 117.92,55.95 121.02,59.05 122.72,59.05 ; 122.72,59.05 122.72,59 v1(121.99,58.27) ; v1(110.72,56) 106.77,56 106.24,55.47 106.24,54.17 106.07,54 IC6#3.13 ; v1(110.72,57.6) 111.57,58.45 v1(111.57,61.8)
  Bottom w0.2: v1(111.82,50.8) 112.17,50.8 v1(113.47,52.1)
  Bottom w0.3: 112.42,56.2 112.42,55.45 v1(112.07,55.1) 111.62,55.1 v1(110.72,56) v1(110.72,57.6) ; v1(122.92,57.45) 122.82,57.45 v1(121.99,58.27) ; v1(111.57,61.8) 111.57,67.05 112.12,67.6 IC4#9.2 ; v1(116.72,53) 116.47,53.25 v1(114.47,53.25)
Board_5-SDA_ANNA: length 51.2
  Top w0.2: 117.92,50.75 117.22,50.75 116.89,50.42 ; U4.4 112.17,52.15 112.37,52.35
  Top w0.3: U5#6.3 121.82,56.95 121.67,57.1 ; v1(111.67,57.7) 112.22,58.25 v1(112.22,62.1) ; 121.67,57.1 119.87,57.1 118.57,55.8 118.57,54.6 117.57,53.6 116.12,53.6 115.52,53 115.52,52.11 116.02,51.6 116.57,51.6 116.89,51.28 116.89,50.42 116.52,50.05 114.87,50.05 114.37,50.55 R10#4.1 113.89,50.82 112.37,52.35 112.37,53.4 111.47,54.3 111.47,56.45 v1(111.52,56.5) 111.42,56.6 106.66,56.6 105.74,55.68 105.74,54.62 IC6#3.14 ; 121.67,57.1 125.71,61.15 U10#9.F1
  Bottom w0.3: IC4#9.3 112.32,66.8 112.07,66.55 112.07,62.25 v1(112.22,62.1) ; v1(111.52,56.5) 111.67,56.65 v1(111.67,57.7) 111.67,57.8 TP10#8.1
Board_5-SWDCLK: length 31.1
  Top w0.3: 111.57,71.3 111.92,71.3 J2#5.2 115.32,74.7 v1(115.42,74.7) ; v1(129.37,62.35) U10#9.J2
  Bottom w0.3: v1(115.42,74.7) 115.72,74.7 117.42,76.4 120.22,76.4 120.92,75.7 120.92,74.2 121.72,73.4 123.5,73.4 124.52,72.39 124.52,72.01 126.92,69.61 126.92,67.1 127.22,66.8 128.82,66.8 129.37,66.25 v1(129.37,62.35)
Board_5-SWDIO: length 28.9
  Top w0.3: v1(128.27,63.05) U10#9.H2 ; v1(117.12,74) 116.82,74 J2#5.1 114.42,71.6 113.72,71.6 112.62,70.5 111.82,70.5 111.57,70.25 111.57,69.5
  Bottom w0.3: v1(117.12,74) 117.12,74.1 117.72,74.7 119.72,74.7 120.42,74 120.42,73.99 121.51,72.9 123.3,72.9 124.02,72.18 124.02,71.8 126.42,69.4 126.42,66.89 127.01,66.3 128.22,66.3 128.87,65.65 128.87,63.3 128.62,63.05 v1(128.27,63.05)
Board_5-TOUCH_INT: length 12
  Top w0.15: U10#9.A4 119.64,64.32 119.64,63.02 118.83,62.2 118.83,61.02 119.64,60.21 119.64,59.13 118.36,57.85 116.87,57.85 115.92,58.8 U11.2
Board_5-TOUCH_RST: length 9.5
  Top w0.15: 117.12,59.13 117.3,58.95 117.47,58.95 118.17,59.64 118.17,60.2 117.78,60.59 117.78,62.66 118.22,63.1 118.22,64.26 118.72,64.76 118.72,65.4 119.32,66 U10#9.A5
Board_5-TOUCH_SCL: length 15.9
  Top w0.15: U11.3 116.32,58.9 117.02,58.2 118.21,58.2 119.12,59.11 v1(119.12,59.7) 119.12,60.24 118.48,60.88 118.48,62.36 119.09,62.97 v1(119.09,63.8) ; v1(120.57,64.15) U10#9.A3 ; v1(117.77,56.65) R3#9.1
  Bottom w0.15: v1(119.09,63.8) U10#9.A3 v1(120.57,64.15) ; v1(119.12,59.7) 119.12,58 v1(117.77,56.65)